# KiCad board BUDDY_v1.0.0.kicad_pcb (continued)
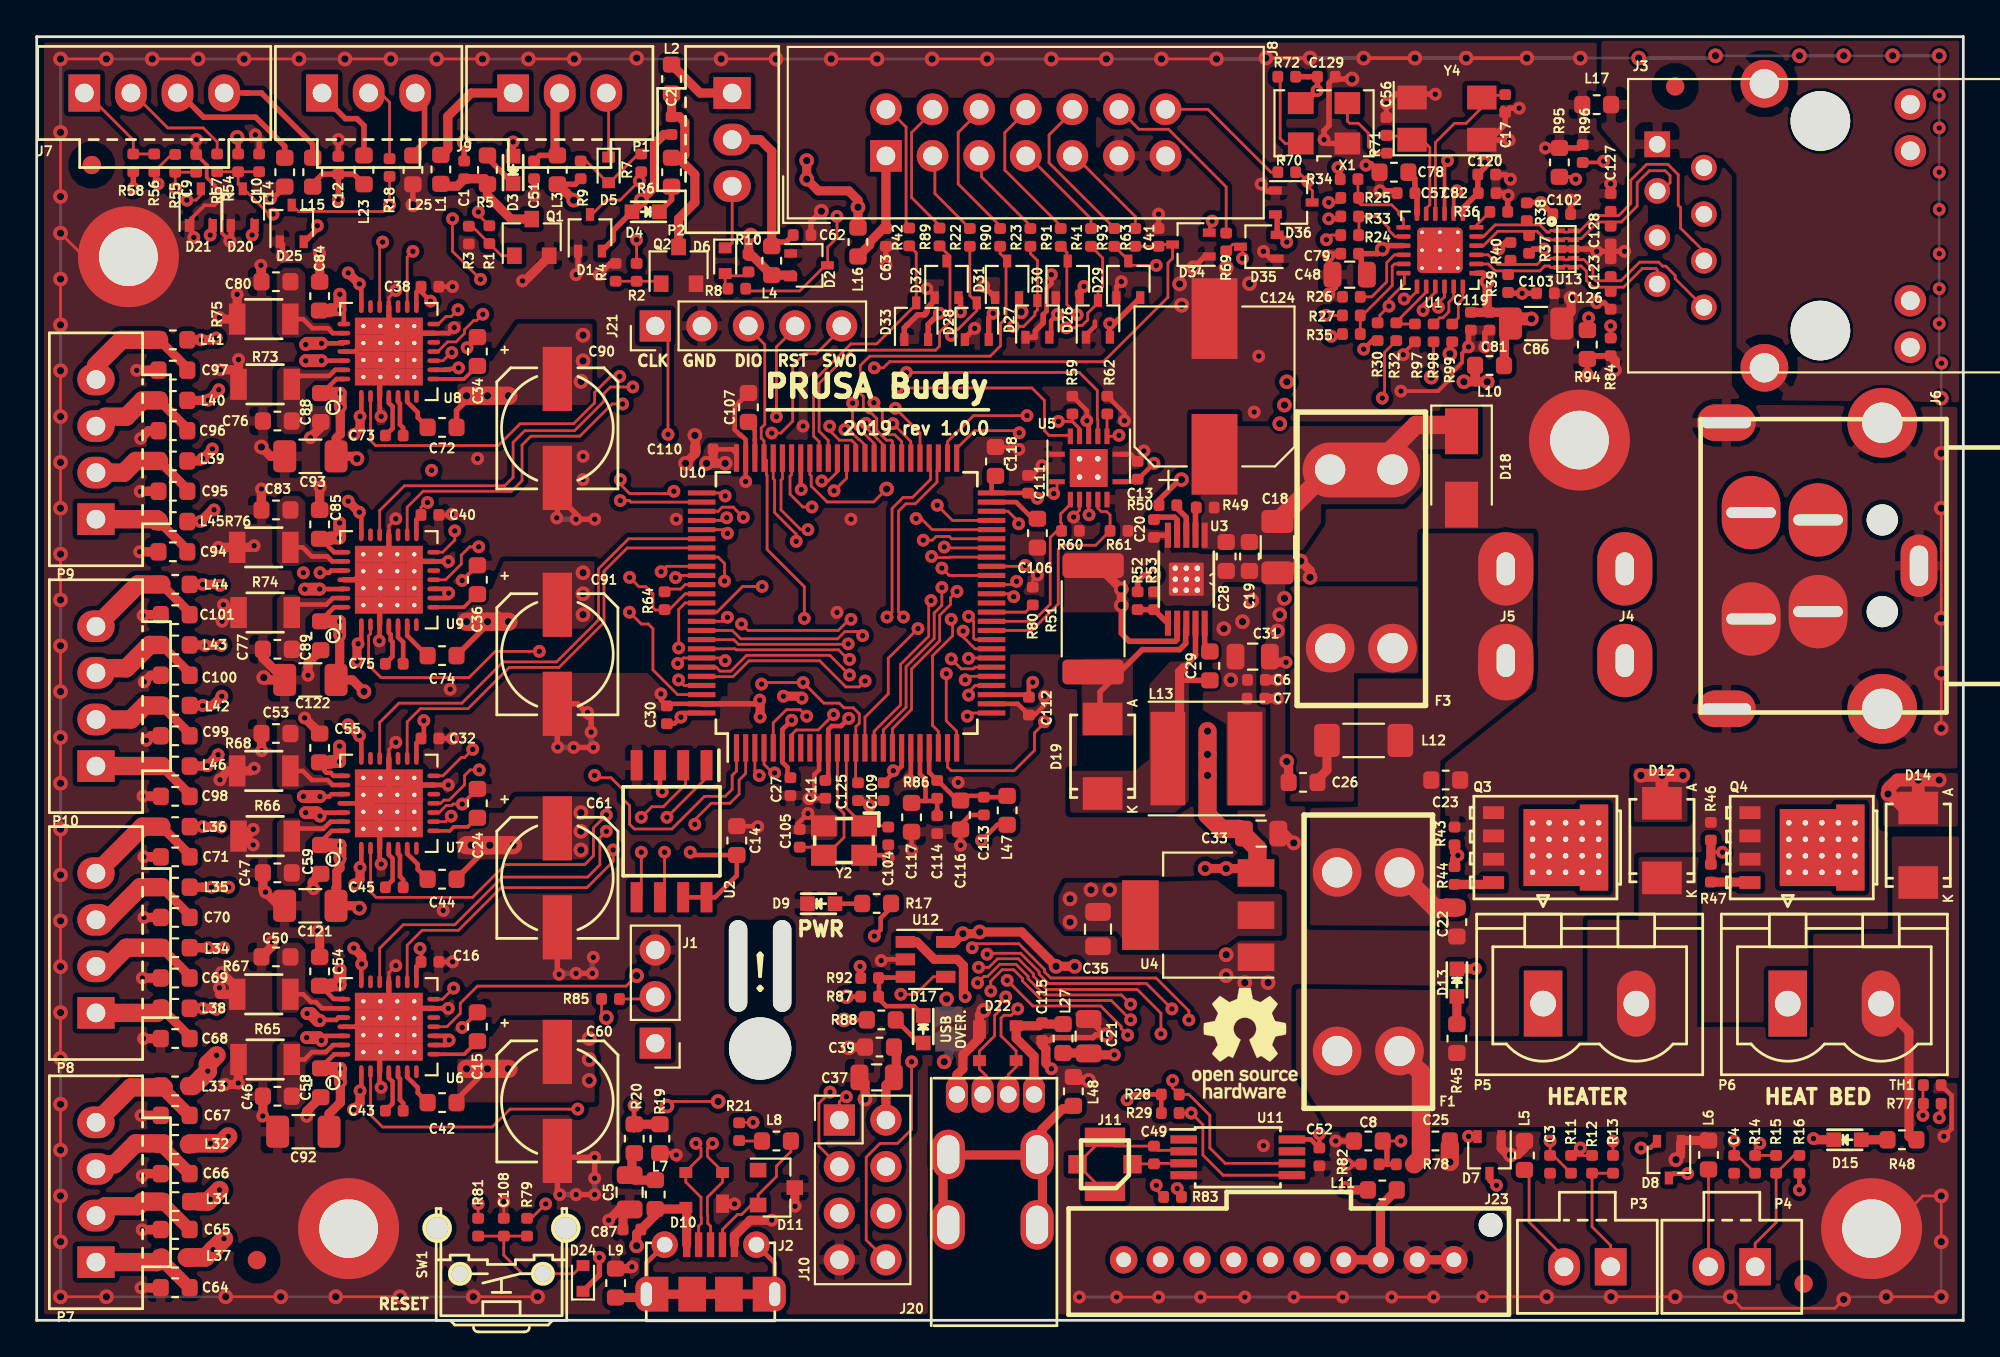
[diagram p0: board, top side]
## Routing (per net, layer and track width the routed paths; a pad name or vN(x,y) marks a point on that pad's centre or on a via; arc(x,y) is an arc through that point) (continued)
Net-(P3-Pad1): length 6.7
  Top w0.15: P3.1 85.78,4.09 84.77,5.1 R12.1 R13.2
Net-(P4-Pad1): length 7.2
  Top w0.15: P4.1 93.66,4.19 94.8,5.33 R15.1 95.77,8.99 R16.2
Net-(Q1-Pad1): length 3
  Top w0.15: Q1.1 25.34,58.05 R1.2 23.72,59.67
Net-(Q2-Pad1): length 2.6
  Top w0.15: 34.03,56.28 33.64,56.66 R2.2 R4.1
Net-(Q3-Pad1): length 2.2
  Top w0.5: Q3.1 79.3,23.77 R44.2
Net-(Q4-Pad1): length 2.1
  Top w0.5: Q4.1 93.35,23.9 R47.2
Net-(R24-Pad2): length 4.3
  Top w0.15: 72.06,58.93 72.06,60.2 73.06,60.2 73.7,59.56 73.7,59.44 74.03,59.1 74.54,59.1
Net-(R25-Pad2): length 4.3
  Top w0.15: 72.04,60.96 72.17,60.83 73.84,60.83 74.22,60.45 74.22,60.32 74.49,60.06 U1.7 ; 72.01,61.91 72.01,60.99
Net-(R26-Pad2): length 4
  Top w0.15: 72.13,55.88 72.13,55.81 72.76,55.81 73.58,56.63 73.58,57.68 74,58.1 U1.10
Net-(R27-Pad2): length 5.2
  Top w0.15: 72.13,54.8 72.13,53.78 ; U1.11 74,57.6 73.88,57.48 73.88,56.43 72.13,54.69
Net-(R32-Pad2): length 3.6
  Top w0.15: 74.35,54.39 74.35,54.35 74.37,54.33 ; 74.35,54.39 74.35,54.7 75.73,56.07 75.73,56.42 ; 74.35,54.39 74.41,54.33 75.24,54.33
Net-(R36-Pad1): length 1.2
  Top w0.15: R36.1 78.46,59.71 U1.24
Net-(R49-Pad2): length 1.7
  Top w0.3: 63.15,44.51 63.15,42.81
Net-(R50-Pad1): length 2
  Top w0.3: 62.65,42.81 62.65,43.79 62.22,44.22 62.22,44.52 62.16,44.58
Net-(R52-Pad2): length 1.8
  Top w0.3: 61.63,38.01 R53.1 60.13,38.76
Net-(R64-Pad2): length 2.2
  Top w0.15: 34.12,39.88 35.1,39.88 35.34,40.12 U10.86
Net-(R71-Pad2): length 4.3
  Top w0.15: R71.2 72.93,63.65 72.57,64.01 72.57,64.74 72.04,65.28 71.56,65.28 71.43,65.4 X1.3
Net-(R72-Pad2): length 4.5
  Top w0.15: X1.1 68.04,64.18 67.77,64.45 67.77,67.69
Net-(R80-Pad2): length 2.4
  Top w0.15: R80.2 53.89,38.62 U10.37
Net-(R98-Pad2): length 2.6
  Top w0.15: 77.23,56.42 77.24,56.41 ; R98.2 76.46,54.67 76.63,54.67 76.96,55 76.96,55.52 77.23,55.78 U1.17
Net-(R99-Pad2): length 2.3
  Top w0.15: 77.73,56.42 77.75,56.4 ; R99.2 77.48,54.67 77.48,55.45 77.73,55.7 U1.18

## Copper pours and planes (outline as drawn; the poured copper is in the pictures)
24V2 on Top: 104.96,13.21 102.42,13.21 102.42,10.54 70.41,10.54 68.64,13.59 68.64,18.09 76.5,18 76.51,15.24 84.51,15.24 84.51,21.84 87.31,21.84 87.31,25.27 90.61,25.27 90.5,24.5 90.5,16 96.83,16 96.81,21.08 101.15,21.08 101.1,26.38 105,26.38 105,25
+3V3 on Top: 67.87,23.24 65.33,23.24 64.32,24 59.37,23.88 56.06,23.88 55.68,23.11 55.68,21.72 56.06,21.21 58.86,21.21 59.24,20.7 59.24,20.32 59.49,20.19 64.44,20.19 65.46,20.95 67.87,20.95
+3V3 on Top: 36.63,47.88 36.12,47.12 36.12,46.35 38.28,46.35 38.28,47.75 38.16,47.88
+3V3 on In2.Cu: 2.79,67.44 2.8,2.78 102.3,2.78 102.29,67.44
+5V on Top: 64.83,28.07 66.99,28.07 66.99,33.53 66.48,33.91 66.48,37.08 66.73,37.08 66.73,40 64.83,40 64.06,38.73 64.06,34.92 63.56,34.42 63.56,33.27 64.83,32.51
+24V on Top: 69.4,21.54 76.5,21.5 76.5,30.5 81.5,34.5 81.59,42.92 75.49,42.92 75.5,35 72,35 72,28 69.4,27.94
+24V on In1.Cu: 83,43 78.5,43 75.5,38.5 75.5,33 69,33 69,21.5 83,21.5
+24VMOT on Top: 21.9,15.11 22.92,14.35 22.92,11.88 30.41,11.88 30.41,16.38 25.46,16.38 24.82,15.49 20.25,15.49 20.25,15.11
+24VMOT on Top: 63.43,48.77 63.43,42.04 69,42 70,43.5 70,44.5 74.5,44.5 75.5,45.5 75.5,47.5 77.15,47.5 77.15,48.77
+24VMOT on Top: 21.91,51.95 22.93,51.19 22.92,49.91 30.28,49.91 30.28,54.35 26.22,54.35 24.81,52.31 20.26,52.33 20.26,51.95
+24VMOT on Top: 21.9,39.5 22.92,38.73 22.92,37.72 30.41,37.72 30.41,41.4 25.46,41.4 24.82,39.88 20.25,39.88 20.25,39.5
+24VMOT on Top: 21.9,27.3 22.92,26.54 22.92,25.14 30.41,25.14 30.41,28.57 26.09,28.57 25.46,27.69 20.25,27.69 20.25,27.3
GND on Top: 107.4,-0.37 0.4,-0.37 0.4,71.63 107.4,71.63
GND on Bottom: -1,71 -1,-1 106,-1 106,71
GND on In1.Cu: -1,71 -1,-1 106,-1 106,71
GND on In3.Cu: -1.03,70.99 -1.03,-1.01 105.97,-1.01 105.97,70.99
GND on In4.Cu: -1.03,70.99 -1.03,-1.01 105.97,-1.01 105.97,70.99
Net-(C26-Pad1) on Top: 71.8,28.28 68.3,28.28 68.3,40.03 75.3,40.03 75.3,35.28 71.8,35.28
Net-(C29-Pad2) on Top: 56.32,29.97 59.87,29.97 60.63,30.61 60.63,34.67 61.78,35.94 62.79,35.94 62.79,28.32 62.03,27.69 56.32,27.69
Net-(C46-Pad1) on Top: 13.09,11.93 13.52,11.5 14.33,11.5 14.64,11.82 14.64,13.91 15.16,14.42 15.95,14.42 16.23,14.7 16.23,15.03 14.67,15.03 14.5,15.2 13.34,15.2 13.09,14.95
Net-(C47-Pad1) on Top: 13.1,24.11 13.52,23.68 14.33,23.68 14.65,24 14.65,26.09 15.17,26.6 15.95,26.6 16.23,26.88 16.23,27.21 14.68,27.21 14.5,27.38 13.35,27.38 13.1,27.13
Net-(C50-Pad1) on Top: 13.08,16.99 13.3,16.77 14.41,16.77 14.61,16.97 16.15,16.97 16.15,17.32 15.9,17.57 15.11,17.57 14.64,18.04 14.64,20.26 14.31,20.59 13.47,20.59 13.08,20.21
Net-(C53-Pad1) on Top: 13.09,29.17 13.31,28.95 14.41,28.95 14.62,29.15 16.15,29.15 16.15,29.5 15.9,29.75 15.12,29.75 14.65,30.22 14.65,32.44 14.31,32.77 13.47,32.77 13.09,32.39
Net-(C76-Pad1) on Top: 13.09,48.74 13.52,48.32 14.33,48.32 14.64,48.63 14.64,50.72 15.16,51.24 15.95,51.24 16.23,51.52 16.23,51.84 14.67,51.84 14.5,52.02 13.34,52.02 13.09,51.77
Net-(C77-Pad1) on Top: 13.09,36.3 13.52,35.87 14.33,35.87 14.64,36.19 14.64,38.28 15.16,38.79 15.95,38.79 16.23,39.07 16.23,39.4 14.67,39.4 14.5,39.57 13.34,39.57 13.09,39.32
Net-(C80-Pad1) on Top: 13.08,53.81 13.3,53.59 14.41,53.59 14.61,53.79 16.15,53.79 16.15,54.13 15.9,54.39 15.11,54.39 14.64,54.86 14.64,57.07 14.31,57.41 13.47,57.41 13.08,57.02
Net-(C83-Pad1) on Top: 13.08,41.36 13.3,41.14 14.41,41.14 14.61,41.34 16.15,41.34 16.15,41.69 15.9,41.94 15.11,41.94 14.64,42.41 14.64,44.63 14.31,44.96 13.47,44.96 13.08,44.58
Net-(C102-Pad1) on In4.Cu: 79.3,59.31 79.3,57.28 80.32,56.64 80.32,54.61 80.7,54.1 81.72,54.1 82.22,54.48 82.22,57.4 82.99,57.91 82.99,60.45 82.73,60.7 82.22,61.34 81.59,61.34 81.46,61.21
Net-(D12-Pad2) on Top: 87.05,27.18 89.97,27.18 89.97,30.1 87.05,30.1
Net-(D12-Pad2) on Bottom: 77,27 80,30.5 90.5,30.5 90.5,20.5 86,20.5 84.5,18.5 84.5,15 77,15
Net-(D14-Pad2) on Top: 100.64,29.34 100.64,26.92 104.7,26.92 104.7,29.84 101.4,29.84
Net-(D14-Pad2) on Bottom: 105,20.5 99.5,20.5 98,19.5 98,15 91,15 91,30.5 105,30.5
Net-(D19-Pad2) on Top: 59.75,35.81 59.73,36.1 56.95,36.07 56.95,31.88 58.84,31.91 59.75,31.88
Net-(J3-Pad13) on Top: 85.27,70.48 85.27,65.02 86.67,63.37 91.88,63.37 92.64,62.48 92.64,51.05 93.27,50.16 95.05,50.16 107.37,50.04 107.37,70.48
Net-(J4-Pad1) on In1.Cu: 99.5,48 88.5,48 83.5,43.5 83.5,32.5 92.5,32.5 92.5,40 99.5,40

## Text on the board
B.Silkscreen: 5V|GND|ZMIN|THERM | GND|SIG|5V | TACH|5V|PWM | BOOT | GND | 3v3 | BOOT 0 | 2019 rev 1.0.0 | ZMIN | FILAMENT / SENSOR | FAN / MODEL | FAN / HEATER | LCD | TEMP / HEATER | HEATER | TEMP / BED | HEAT / BED | MOT E | MOT Y | MOT X | MOT Z | ! | PRUSA Buddy
F.Silkscreen: USB / OVER. | RESET | CLK | GND | DIO | RST | SWO | 2019 rev 1.0.0 | PWR | HEATER | HEAT BED | PRUSA Buddy | !
